# KiCad board Europe-ergo.kicad_pcb (continued)
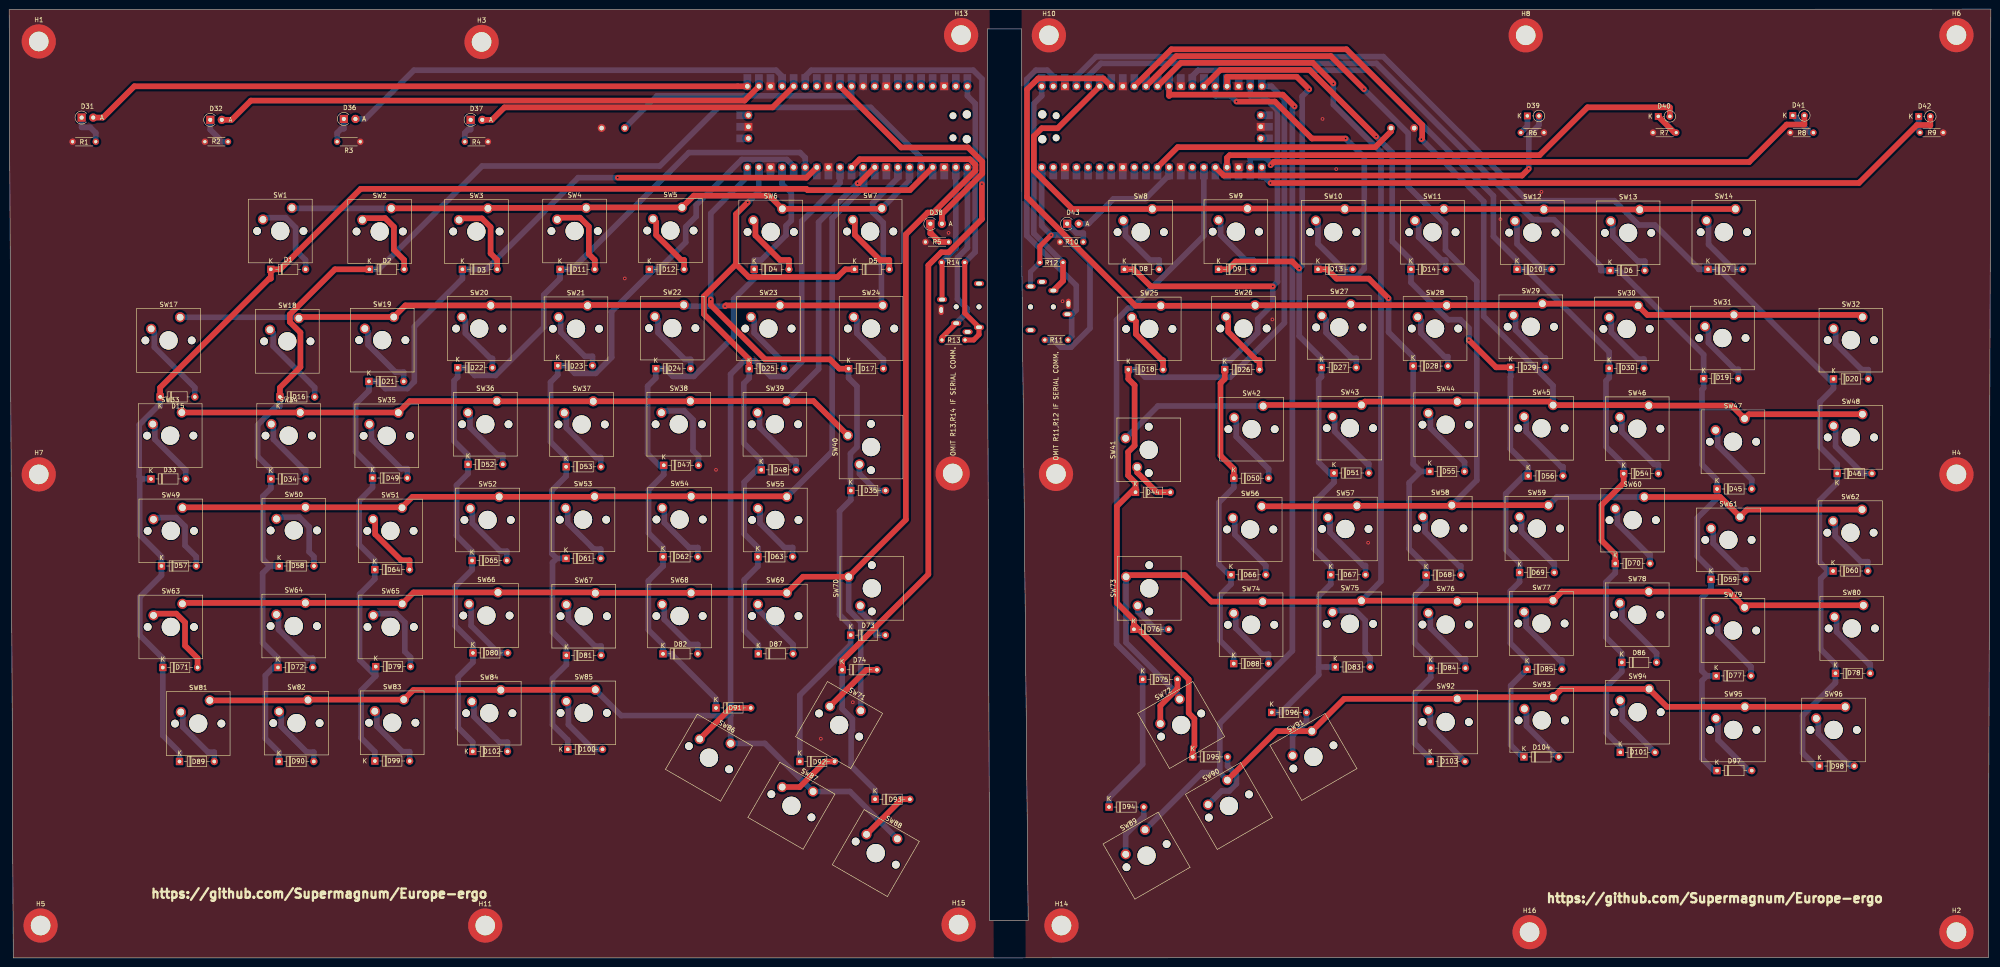
[diagram p0: board, top side]
## Nets
GNDL: H1.1 H3.1 H5.1 H7.1 H9.1 H11.1 H13.1 H15.1 J1.1 R1.1 R2.1 R3.1 R4.1 R5.1 SW15.2 U1.3 U1.8 U1.13 U1.18 U1.23 U1.28 U1.31 U1.33 U1.38 U1.42
GNDR: H2.1 H4.1 H6.1 H8.1 H10.1 H12.1 H14.1 H16.1 J2.1 R6.2 R7.2 R8.2 R9.2 R10.1 SW16.2 U2.3 U2.8 U2.13 U2.18 U2.23 U2.28 U2.33 U2.38 U2.42
VCCL: J1.4 R13.2 R14.2 U1.40
VCCR: J2.4 R11.2 R12.2 U2.40
/RUN: SW16.1 U2.30
Arrow-Left: D74.1 D93.1 U1.26
Arrow-Right: D75.1 D94.1 U2.26
COL1: D1.1 D15.1 D33.1 D57.1 D71.1 D89.1 U1.4
COL1R: D7.1 D20.1 D46.1 D60.1 D78.1 D98.1 U2.4
COL2: D2.1 D16.1 D34.1 D58.1 D72.1 D90.1 U1.5
COL2R: D6.1 D19.1 D45.1 D59.1 D77.1 D97.1 U2.5
COL3: D3.1 D21.1 D49.1 D64.1 D79.1 D99.1 U1.14
COL3R: D10.1 D30.1 D54.1 D70.1 D86.1 D101.1 U2.14
COL4: D11.1 D22.1 D52.1 D65.1 D80.1 D102.1 U1.15
COL4R: D14.1 D29.1 D56.1 D69.1 D85.1 D104.1 U2.15
COL5: D12.1 D23.1 D53.1 D61.1 D81.1 D100.1 U1.16
COL5R: D13.1 D28.1 D55.1 D68.1 D84.1 D103.1 U2.16
COL6: D4.1 D24.1 D47.1 D62.1 D82.1 D91.1 U1.17
COL6R: D9.1 D27.1 D51.1 D67.1 D83.1 D96.1 U2.17
COL7: D5.1 D25.1 D48.1 D63.1 D87.1 U1.19
COL7R: D8.1 D26.1 D50.1 D66.1 D88.1 U2.19
COL8: D17.1 D35.1 D73.1 D92.1 U1.20
COL8R: D18.1 D44.1 D76.1 D95.1 U2.20
PWM1: D31.2 U1.21
PWM1R: D42.2 U2.21
PWM2: D32.2 U1.22
PWM2R: D41.2 U2.22
PWM3: D36.2 U1.24
PWM3R: D40.2 U2.24
PWM4: D37.2 U1.25
PWM4R: D39.2 U2.25
PWM5: D38.2 U1.29
PWM5R: D43.2 U2.29
ROW1: SW1.1 SW2.1 SW3.1 SW4.1 SW5.1 SW6.1 SW7.1 U1.6
ROW1R: SW8.1 SW9.1 SW10.1 SW11.1 SW12.1 SW13.1 SW14.1 U2.6
ROW2: SW17.1 SW18.1 SW19.1 SW20.1 SW21.1 SW22.1 SW23.1 SW24.1 U1.7
ROW2R: SW25.1 SW26.1 SW27.1 SW28.1 SW29.1 SW30.1 SW31.1 SW32.1 U2.7
ROW3: SW33.1 SW34.1 SW35.1 SW36.1 SW37.1 SW38.1 SW39.1 SW40.1 U1.9
ROW3R: SW41.1 SW42.1 SW43.1 SW44.1 SW45.1 SW46.1 SW47.1 SW48.1 U2.9
ROW4: SW49.1 SW50.1 SW51.1 SW52.1 SW53.1 SW54.1 SW55.1 U1.10
ROW4R: SW56.1 SW57.1 SW58.1 SW59.1 SW60.1 SW61.1 SW62.1 U2.10
ROW5: SW63.1 SW64.1 SW65.1 SW66.1 SW67.1 SW68.1 SW69.1 SW70.1 SW71.1 U1.11
ROW5R: SW72.1 SW73.1 SW74.1 SW75.1 SW76.1 SW77.1 SW78.1 SW79.1 SW80.1 U2.11
ROW6: SW81.1 SW82.1 SW83.1 SW84.1 SW85.1 SW86.1 SW87.1 SW88.1 U1.12
ROW6R: SW89.1 SW90.1 SW91.1 SW92.1 SW93.1 SW94.1 SW95.1 SW96.1 U2.12
SCL I2C0: J1.3 R14.1 U1.2
sclR: J2.3 R11.1 U2.2
SDA I2C0: J1.2 R13.1 U1.1
sdaR: J2.2 R12.1 U2.1
Net-(D1-A): D1.2 SW1.2
Net-(D2-A): D2.2 SW2.2
Net-(D3-A): D3.2 SW3.2
Net-(D4-A): D4.2 SW6.2
Net-(D5-A): D5.2 SW7.2
Net-(D6-A): D6.2 SW13.2
Net-(D7-A): D7.2 SW14.2
Net-(D8-A): D8.2 SW8.2
Net-(D9-A): D9.2 SW9.2
Net-(D10-A): D10.2 SW12.2
Net-(D11-A): D11.2 SW4.2
Net-(D12-A): D12.2 SW5.2
Net-(D13-A): D13.2 SW10.2
Net-(D14-A): D14.2 SW11.2
Net-(D15-A): D15.2 SW17.2
Net-(D16-A): D16.2 SW18.2
Net-(D17-A): D17.2 SW24.2
Net-(D18-A): D18.2 SW25.2
Net-(D19-A): D19.2 SW31.2
Net-(D20-A): D20.2 SW32.2
Net-(D21-A): D21.2 SW19.2
Net-(D22-A): D22.2 SW20.2
Net-(D23-A): D23.2 SW21.2
Net-(D24-A): D24.2 SW22.2
Net-(D25-A): D25.2 SW23.2
Net-(D26-A): D26.2 SW26.2
Net-(D27-A): D27.2 SW27.2
Net-(D28-A): D28.2 SW28.2
Net-(D29-A): D29.2 SW29.2
Net-(D30-A): D30.2 SW30.2
Net-(D31-K): D31.1 R1.2
Net-(D32-K): D32.1 R2.2
Net-(D33-A): D33.2 SW33.2
Net-(D34-A): D34.2 SW34.2
Net-(D35-A): D35.2 SW40.2
Net-(D36-K): D36.1 R3.2
Net-(D37-K): D37.1 R4.2
Net-(D38-K): D38.1 R5.2
Net-(D39-K): D39.1 R6.1
Net-(D40-K): D40.1 R7.1
Net-(D41-K): D41.1 R8.1
Net-(D42-K): D42.1 R9.1
Net-(D43-K): D43.1 R10.2
Net-(D44-A): D44.2 SW41.2
Net-(D45-A): D45.2 SW47.2
Net-(D46-A): D46.2 SW48.2
Net-(D47-A): D47.2 SW38.2
Net-(D48-A): D48.2 SW39.2
Net-(D49-A): D49.2 SW35.2
Net-(D50-A): D50.2 SW42.2
Net-(D51-A): D51.2 SW43.2
Net-(D52-A): D52.2 SW36.2
Net-(D53-A): D53.2 SW37.2
Net-(D54-A): D54.2 SW46.2
Net-(D55-A): D55.2 SW44.2
Net-(D56-A): D56.2 SW45.2
Net-(D57-A): D57.2 SW49.2
Net-(D58-A): D58.2 SW50.2
Net-(D59-A): D59.2 SW61.2
Net-(D60-A): D60.2 SW62.2
Net-(D61-A): D61.2 SW53.2
Net-(D62-A): D62.2 SW54.2
Net-(D63-A): D63.2 SW55.2
Net-(D64-A): D64.2 SW51.2
Net-(D65-A): D65.2 SW52.2
Net-(D66-A): D66.2 SW56.2
Net-(D67-A): D67.2 SW57.2
Net-(D68-A): D68.2 SW58.2
Net-(D69-A): D69.2 SW59.2
Net-(D70-A): D70.2 SW60.2
Net-(D71-A): D71.2 SW63.2
Net-(D72-A): D72.2 SW64.2
Net-(D73-A): D73.2 SW70.2
Net-(D74-A): D74.2 SW71.2
Net-(D75-A): D75.2 SW72.2
Net-(D76-A): D76.2 SW73.2
Net-(D77-A): D77.2 SW79.2
Net-(D78-A): D78.2 SW80.2
Net-(D79-A): D79.2 SW65.2
Net-(D80-A): D80.2 SW66.2
Net-(D81-A): D81.2 SW67.2
Net-(D82-A): D82.2 SW68.2
Net-(D83-A): D83.2 SW75.2
Net-(D84-A): D84.2 SW76.2
Net-(D85-A): D85.2 SW77.2
Net-(D86-A): D86.2 SW78.2
Net-(D87-A): D87.2 SW69.2
Net-(D88-A): D88.2 SW74.2
Net-(D89-A): D89.2 SW81.2
Net-(D90-A): D90.2 SW82.2
Net-(D91-A): D91.2 SW86.2
Net-(D92-A): D92.2 SW87.2
Net-(D93-A): D93.2 SW88.2
Net-(D94-A): D94.2 SW89.2
Net-(D95-A): D95.2 SW90.2
Net-(D96-A): D96.2 SW91.2
Net-(D97-A): D97.2 SW95.2
Net-(D98-A): D98.2 SW96.2
Net-(D99-A): D99.2 SW83.2
Net-(D100-A): D100.2 SW85.2
Net-(D101-A): D101.2 SW94.2
Net-(D102-A): D102.2 SW84.2
Net-(D103-A): D103.2 SW92.2
Net-(D104-A): D104.2 SW93.2
Net-(U1-RUN): SW15.1 U1.30

Pads without a net: J1 SH1 SH2; J2 SH1 SH2; U1 27 32 34 35 36 37 39 41 43; U2 27 31 32 34 35 36 37 39 41 43

## Via types
v1: diameter 0.8, hole 0.4, Top to Bottom, 34 vias

## Routing (per net, layer and track width the routed paths; a pad name or vN(x,y) marks a point on that pad's centre or on a via; arc(x,y) is an arc through that point)
GNDL:
  vias: v1(135,149.1) v1(155,107.1) v1(178,48.1) v1(185,56.1) v1(206,159.1)
GNDR:
  vias: v1(231,144.1) v1(277,140.1) v1(288,184.1) v1(291,173.1) v1(298,91.1) v1(327,162.1) v1(336,168.1)
VCCL: length 61
  Top w1.1: R14.2 209.54,141.5 J1.4 212.67,136.77 211.5,135.6 R13.2
  Bottom w1.24: U1.40 210.13,189.17 211.85,187.45 211.85,170.44 211.82,170.41 211.82,154.88 R14.2
VCCR: length 66.7
  Top w1.1: R12.2 226.01,156.15 v1(228.48,158.62)
  Bottom w1.1: R12.2 223.98,150.56 223.98,147.35
  Bottom w1.24: R11.2 229.04,135.6 230.62,134.02 232.86,134.02 237,138.16 237,152.71 231.09,158.62 v1(228.48,158.62) 226.42,160.68 U2.40
/RUN: length 55.2
  Top w1.24: U2.30 256.25,177.91 299.55,177.91 303.01,181.37 SW16.1
Arrow-Left: length 217.3
  Top w1.24: D74.1 182.66,65.26 201.56,84.17 201.56,151.99 204.41,154.84 206.03,154.84 213.31,162.12 v1(213.31,169.8)
  Bottom w1.24: v1(213.31,169.8) 213.34,169.82 213.34,192.86 211.41,194.79 175.89,194.79 174.57,193.47 U1.26 ; D74.1 182.66,54.65 184.92,52.39 184.92,49.96 184.62,49.66 184.62,42.13 189.89,36.86 D93.1
Arrow-Right: length 154.1
  Bottom w1.24: U2.26 261.98,158.46 246.06,142.54 245.37,142.54 242.84,140.01 242.84,68.9 248.56,63.17 D75.1 248.56,42.51 241.19,35.14 D94.1
COL1: length 285.1
  Top w1.24: U1.4 197.51,168.48 175.08,168.48 174.8,168.76 77.09,168.76 59.43,151.1 D1.1 57.38,149.06 57.02,149.06 33.11,125.14 D15.1
  Bottom w1.24: D89.1 37.36,45.14 33.7,48.81 D71.1 33.7,65.76 28.66,70.81 28.66,79.2 33.41,83.95 D57.1 33.41,88.04 28.64,92.82 28.64,104.68 29.06,105.1 ; D33.1 29.06,105.1 ; 29.06,105.1 28.51,105.64 28.51,116.97 32.6,121.05 33.11,121.05 D15.1
COL1R: length 298
  Bottom w1.24: 398.92,84.89 396.95,86.86 396.95,100.35 400.86,104.25 D46.1 400.86,108.34 397.05,112.15 397.05,121.99 400.05,124.99 400.05,126.01 ; 398.92,84.89 397.24,83.21 397.24,67.72 400.48,64.48 D78.1 400.48,60.39 393.26,53.18 393.26,45.01 396.18,42.1 D98.1 ; 398.92,84.89 D60.1 ; 400.05,126.01 374.96,151.1 D7.1 370.48,151.1 370.48,151.23 360.88,160.82 357.34,160.82 352,166.16 332.94,166.16 301.32,197.78 238.35,197.78 234.04,193.46 U2.4 ; 400.05,126.01 D20.1
COL2: length 277.4
  Top w1.24: D16.1 59.38,125.14 63.88,129.64 63.88,137.22 61.56,139.53 61.56,141.22 71.44,151.1 D2.1
  Bottom w1.24: 57.18,86 55.63,87.55 55.63,101.28 57.4,103.06 D34.1 57.4,107.14 54.49,110.05 54.49,116.94 58.61,121.05 59.38,121.05 D16.1 ; 57.18,86 55.58,84.41 55.58,69.14 58.96,65.76 58.96,64.74 ; 57.18,86 D58.1 ; U1.5 199.97,175.58 188.91,186.64 155.54,186.64 142.67,173.77 103.71,173.77 81.04,151.1 D2.1 ; D90.1 59.19,45.14 56.19,48.15 56.19,61.97 58.96,64.74 ; 58.96,64.74 D72.1
COL2R: length 266.7
  Bottom w1.24: 372.27,61.88 371.16,63 371.16,78.98 373.19,81.01 D59.1 373.19,85.1 370.18,88.11 370.18,96.54 374.5,100.85 D45.1 374.5,104.94 371.2,108.25 371.2,124.69 371.56,125.05 D19.1 371.56,132.38 353.1,150.84 D6.1 349,150.84 349,151.73 338.75,161.99 335.23,161.99 335.19,162.03 334.07,162.03 299.81,196.29 239.41,196.29 236.58,193.46 U2.5 ; 372.27,61.88 371.21,60.82 371.21,43.72 373.83,41.1 D97.1 ; 372.27,61.88 D77.1
COL3: length 223.4
  Top w1.24: U1.14 174.84,171.21 v1(133.45,171.21)
  Bottom w1.24: D79.1 80.39,61.88 ; 80.39,61.88 76.85,65.42 76.85,79.82 80.18,83.16 D64.1 80.18,87.25 76.77,90.66 76.77,100.33 79.69,103.25 D49.1 79.69,107.34 75.98,111.06 75.98,121.53 78.9,124.45 D21.1 80.94,126.5 82.52,124.93 87.31,124.93 88.85,126.46 88.85,138.5 99.4,149.06 D3.1 104.66,151.1 124.77,171.21 v1(133.45,171.21) ; 80.39,61.88 77.18,58.67 77.18,48.26 80.2,45.25 D99.1
COL3R: length 224.1
  Top w1.24: D54.1 354.02,104.22 349.18,99.37 349.18,91.59 352.19,88.58 D70.1
  Bottom w1.24: D54.1 354.02,108.3 350.16,112.16 350.16,126.62 350.86,127.31 D30.1 350.86,132.94 332.69,151.1 D10.1 330.65,153.14 325.47,158.33 325.47,167.21 297.9,194.79 260.7,194.79 259.44,193.52 U2.14 ; D70.1 352.19,84.49 350.14,82.44 350.14,70.37 353.62,66.88 D86.1 353.62,62.79 350.25,59.43 350.25,49.34 353.29,46.31 D101.1
COL4: length 199.1
  Bottom w1.24: U1.15 174.57,175.58 173.42,176.73 149.05,176.73 123.43,151.1 D11.1 120.8,149.06 117.22,145.48 117.22,138.38 106.66,127.81 102.1,127.81 100.41,129.5 D22.1 98.36,127.45 97.57,126.66 97.57,113.41 100.63,110.34 D52.1 100.63,106.25 98.11,103.73 98.11,92.65 101.51,89.25 D65.1 101.51,85.16 97.82,81.46 97.82,72.85 101.7,68.97 D80.1 101.7,64.88 98.48,61.65 98.48,50.53 101.66,47.34 D102.1
COL4R: length 208.5
  Top w1.24: D29.1 326.06,129.59 v1(320.1,135.56) ; U2.15 265.57,194.86 285.14,194.86 v1(299.77,180.23)
  Bottom w1.24: D56.1 333.1,106.78 ; 333.1,106.78 333.1,107.8 329.18,111.73 329.18,127.47 329.26,127.55 D29.1 ; 333.1,106.78 328.17,101.85 328.17,89.64 331.2,86.6 D69.1 331.2,82.51 329.17,80.49 329.17,69.07 332.86,65.38 D85.1 329.25,59.73 329.25,46.72 332.17,43.81 ; v1(299.77,180.23) 303.26,176.74 303.26,157.28 307.39,153.14 D14.1 307.39,148.21 315.55,140.05 318.24,140.05 320.1,138.19 v1(320.1,135.56)
COL5: length 177.4
  Bottom w1.24: D12.1 141.4,151.1 ; 141.4,151.1 132.13,141.83 132.13,131.79 128.61,128.27 124.04,128.27 122.34,129.96 D23.1 120.3,127.91 118.71,126.33 118.71,113.23 122.14,109.8 D53.1 122.14,105.72 118.99,102.57 118.99,88.73 120.06,87.66 ; 141.4,151.1 142.43,151.1 148.36,157.03 148.36,160.41 150.66,162.71 150.66,165.21 160.65,175.21 170.52,175.21 172.03,173.7 U1.16 ; D61.1 120.06,87.66 ; 120.06,87.66 119.14,86.74 119.14,71.47 122.19,68.42 D81.1 122.19,64.34 119.14,61.29 119.14,51.16 122.5,47.81 D100.1
COL5R: length 209
  Top w1.24: D13.1 289.05,151.1 291.09,149.06 298.15,149.06 v1(302.48,144.72) ; v1(293.06,179.8) 285.66,179.8 277.56,187.91 v1(269.13,187.91)
  Bottom w1.24: 309.48,106.74 306.98,104.25 306.98,89.77 310.71,86.04 D68.1 310.71,81.95 308.2,79.44 308.2,69.15 311.72,65.62 D84.1 311.72,61.53 308.19,58.01 308.19,47.1 311.62,43.67 D103.1 ; 309.48,106.74 D55.1 ; 309.48,106.74 307.86,108.35 D28.1 307.86,131.92 302.48,137.3 v1(302.48,144.72) ; v1(293.06,179.8) 297.15,175.72 297.15,151.22 295.34,149.42 290.73,149.42 289.05,151.1 D13.1 ; U2.16 264.52,189.17 267.87,189.17 v1(269.13,187.91)
COL6: length 154.5
  Bottom w1.24: D91.1 155,56.89 145.43,66.47 145.43,66.72 D82.1 143.38,68.76 140.18,71.97 140.18,82.74 143.39,85.95 D62.1 143.39,90.04 140.22,93.22 140.22,102.73 143.54,106.06 143.54,107.08 ; 143.54,107.08 D47.1 ; 143.54,107.08 140.01,110.61 140.01,125.47 141.8,127.25 D24.1 143.84,129.3 145.53,127.61 150.13,127.61 158.86,136.34 158.86,144.54 163.38,149.06 D4.1 163.38,153.14 164.91,153.14 170.35,158.58 170.35,160.66 171.51,161.82 171.51,167.83 169.49,169.86 U1.17
COL6R: length 196.1
  Top w1.24: v1(282.88,151.29) 281.34,152.82 268.96,152.82 267.24,151.1 D9.1 ; U2.17 267.06,193.36 282.33,193.36 v1(285.08,190.61)
  Bottom w1.24: 290.52,105.38 290.52,104.35 286.19,100.02 286.19,89.72 289.8,86.1 D67.1 289.8,82.01 287.16,79.37 287.16,63.84 ; 290.52,105.38 D51.1 ; 290.52,105.38 287.15,108.75 287.15,126.88 287.76,127.49 D27.1 287.76,131.58 282.88,136.46 v1(282.88,151.29) 283.54,151.95 283.54,189.06 v1(285.08,190.61) ; 287.16,63.84 D83.1 ; 287.16,63.84 287.16,62.11 278.9,53.86 D96.1
COL7: length 152.1
  Top w1.24: 159.39,152.22 162.19,149.42 181.66,149.42 183.33,151.1 D5.1 ; 159.39,152.22 159.39,163.21 v1(161.97,165.78) ; 159.39,152.22 152.35,145.18 152.35,141.28 162.28,131.34 D25.1
  Bottom w1.24: 164.92,108.12 161.19,104.39 161.19,93.05 164.19,90.04 D63.1 164.19,85.95 161.19,82.96 161.19,71.85 164.28,68.76 D87.1 ; 164.92,108.12 164.92,109.14 161.09,112.98 161.09,126.06 162.28,127.25 D25.1 ; 164.92,108.12 D48.1 ; U1.19 164.41,168.22 v1(161.97,165.78)
COL7R: length 177.1
  Top w1.24: v1(277.11,147.35) 250.34,147.35 246.6,151.1 D8.1 ; D26.1 266.56,127.05 265.63,126.12 265.63,110.23 268.55,107.3 D50.1
  Bottom w1.24: D88.1 268.52,66.62 265.5,69.64 265.5,79.59 267.93,82.01 267.93,83.64 ; U2.19 272.14,189.17 274.93,189.17 278.12,185.98 278.12,148.36 v1(277.11,147.35) 277.11,143.46 273.79,140.14 273.79,137.17 267.76,131.14 266.56,131.14 D26.1 ; 267.93,83.64 265.26,86.31 265.26,99.92 268.55,103.22 D50.1 ; 267.93,83.64 D66.1
COL8: length 163.8
  Top w1.24: D17.1 182.04,129.3 179.99,131.34 165.78,131.34 153.85,143.27 v1(153.85,144.5)
  Bottom w1.24: v1(153.85,144.5) 153.85,163.37 161.87,171.39 U1.20 ; D92.1 173.38,57.63 184.52,68.78 D73.1 184.52,72.86 182.09,75.29 182.09,98.04 184.56,100.51 D35.1 184.56,104.6 184.49,104.68 184.49,110.68 185.91,112.1 185.91,125.43 184.08,127.25 D17.1
COL8R: length 192.8
  Top w1.24: D18.1 245.41,127.05 246.79,125.67 246.79,112.43 245.38,111.02 245.38,105.85 247,104.22 247,103.2 ; D44.1 247,103.2 ; 247,103.2 242.91,99.12 242.91,77.87 246.64,74.14 246.64,73.12 ; D76.1 246.64,73.12 ; 246.64,73.12 258.65,61.11 258.65,53.73 259.9,52.48 259.9,46.5 259.55,46.14 D95.1
  Bottom w1.24: U2.20 276.77,191.26 279.64,188.4 279.64,139.34 267.72,127.42 249.13,127.42 247.45,129.09 D18.1
PWM1: length 146.3
  Top w1.24: D31.2 20.58,184.4 27.45,191.26 U1.21
PWM1R: length 156.5
  Top w1.24: D42.2 421.27,182.66 421.18,182.76 418.33,182.76 405.61,170.04 v1(276.61,170.04)
  Bottom w1.24: U2.21 274.68,171.39 275.26,171.39 v1(276.61,170.04)
PWM2: length 120.8
  Top w1.24: U1.22 161.27,188.13 53.01,188.13 48.78,183.9 D32.2
PWM2R: length 130.3
  Top w1.24: D41.2 393.65,182.87 389.77,182.87 381.56,174.65 277.32,174.65 v1(276.61,173.94)
  Bottom w1.24: U2.22 272.14,175.58 275.54,175.58 276.61,174.52 v1(276.61,173.94)
PWM3: length 100.7
  Bottom w1.24: D36.2 78.09,184.1 88.77,194.79 168.17,194.79 169.49,193.47 U1.24
PWM3R: length 105.8
  Top w1.24: D40.2 364.15,186.66 346.1,186.66 335.59,176.14 267.62,176.14 267.06,175.58 U2.24
PWM4: length 71.3
  Top w1.24: U1.25 167.4,186.64 108.62,186.64 105.88,183.9 D37.2
PWM4R: length 82.6
  Top w1.24: v1(333.23,173.16) 331.75,171.68 266.32,171.68 U2.25
  Bottom w1.24: v1(333.23,173.16) 333.23,180.54 335.45,182.76 D39.2
PWM5: length 55.3
  Top w1.24: U1.29 195.62,177.84 210.27,177.84 213.38,174.73 213.38,172.09 204.54,163.25 D38.2
PWM5R: length 26.2
  Bottom w1.24: D43.2 236.69,161.1 242.15,166.57 249.13,166.57 253.95,171.39 254.36,171.39 U2.29
ROW1: length 143.3
  Top w1.24: SW2.1 SW3.1 105.1,164.58 SW4.1 126.64,164.68 SW5.1 150.13,167.27 166.65,167.27 SW6.1 191.24,164.38 SW7.1
  Bottom w1.24: SW1.1 62.1,164.48 SW2.1 ; SW7.1 197.43,170.57 U1.6
ROW1R: length 184.1
  Top w1.24: SW14.1 357.7,164.34 SW13.1 357.48,164.24 SW12.1 336.46,164.32 SW11.1 314.6,164.34 SW10.1 292.78,164.44 SW9.1 250.77,164.44 SW8.1 233.13,164.34 224.69,172.78 224.69,180.32 226.43,182.06 229.91,182.06 U2.6
ROW2: length 189.4
  Top w1.24: SW22.1 126.98,143.28 SW21.1 126.8,143.18 SW20.1 86.89,143.18 SW19.1 63.8,140.64 SW18.1 ; SW24.1 SW23.1 157.16,143.18 v1(156.98,143)
  Bottom w1.24: v1(156.98,143) 148.22,143 SW22.1 ; U1.7 194.89,171.16 189.33,165.6 189.33,163.67 191.68,161.32 191.68,152.43 191.27,152.02 191.27,143.45 SW24.1 ; SW17.1 63.34,140.58 SW18.1
ROW2R: length 238.5
  Top w1.24: 315.21,143.23 294.42,143.23 SW27.1 293.97,143.2 SW26.1 273.11,143.1 SW25.1 247,143.1 223.19,166.91 223.19,190.55 225.64,193 239.92,193 U2.7 ; 315.21,143.23 SW28.1 ; 315.21,143.23 335.87,143.23 SW29.1 356.74,143.57 SW30.1 359.21,141.1 SW31.1 405.94,141.1 SW32.1
ROW3: length 209.8
  Top w1.24: v1(186.04,169.98) 186.31,169.98 U1.9 ; 85.35,119.68 SW34.1 SW33.1 ; 85.35,119.68 SW35.1 ; 85.35,119.68 87.85,122.18 SW36.1 107,122.14 SW37.1 149.34,122.14 SW38.1 SW39.1 176.38,122.18 SW40.1
  Bottom w1.24: SW39.1 177.5,129.22 177.5,161.44 v1(186.04,169.98)
ROW3R: length 313.7
  Top w1.24: SW48.1 381.5,119.3 SW47.1 377.68,121.2 SW46.1 359.44,121.3 SW45.1 337.76,122.08 SW44.1 297.28,122.08 SW43.1 275.21,121.34 SW42.1 ; U2.9 254.86,199.38 293.24,199.38 309.85,182.78 309.85,179.84 v1(309.67,179.65)
  Bottom w1.24: SW45.1 338.54,125.57 323.34,140.77 323.34,165.98 v1(309.67,179.65) ; SW42.1 251.9,121.1 SW41.1
ROW4: length 213.2
  Top w1.24: SW55.1 170.44,101.28 SW54.1 128.42,101.28 SW53.1 128.32,101.18 SW52.1 88.45,101.18 86.15,98.88 ; SW51.1 86.15,98.88 ; 86.15,98.88 SW50.1 38.1,98.88 SW49.1
  Bottom w1.24: U1.10 187.27,171.39 187.58,171.08 187.58,169.41 180.47,162.31 180.47,111.11 SW55.1
ROW4R: length 292.3
  Top w1.24: SW62.1 381.12,98.38 SW61.1 375.2,101.14 SW60.1 ; SW56.1 295.44,99.1 SW57.1 316.21,99.2 SW58.1 337.5,99.34 SW59.1 ; v1(297.08,190.64) 289.82,197.89 255.91,197.89 U2.10
  Bottom w1.24: v1(297.08,190.64) 306.77,180.95 306.77,169.28 314.95,161.1 314.95,155.31 321.83,148.43 321.83,104.82 SW58.1 ; SW59.1 339.38,101.14 SW60.1
ROW5: length 310.4
  Top w1.24: SW63.1 38.2,77.9 SW64.1 86,77.9 SW65.1 88.7,80.2 SW66.1 128.4,80.2 SW67.1 128.58,80.1 SW68.1 SW69.1 174.08,83.64 SW70.1 196.63,96.17 196.63,158.77 201.41,163.55 202.68,163.55 211.88,172.75 211.88,174.04 210.67,175.25 186.5,175.25 U1.11
  Bottom w1.24: SW71.1 186.74,73.68 184.1,76.32 SW70.1
ROW5R: length 360.8
  Top w1.24: SW80.1 381,77.38 SW79.1 377.08,80.38 SW78.1 340.46,80.38 SW77.1 317.78,78.46 SW76.1 317.38,78.38 SW75.1 296.34,78.18 SW74.1 263.63,78.18 257.81,84 245.28,84 SW73.1 ; U2.11 256.96,196.4 285.87,196.4 v1(290.38,191.89)
  Bottom w1.24: SW75.1 300.8,82.64 300.8,176.85 290.38,187.26 v1(290.38,191.89) ; SW72.1 256.66,57.43 244.92,69.17 SW73.1
ROW6: length 309.5
  Top w1.24: SW85.1 107.88,58.84 SW84.1 88.64,58.78 SW83.1 65.62,56.68 SW82.1 65.44,56.5 SW81.1
  Bottom w1.24: 158.2,53.17 158.2,128.07 161.1,130.97 163.61,130.97 167,127.58 170.61,127.58 173.8,130.77 173.8,161.67 182.19,170.06 U1.12 ; 158.2,53.17 134.21,53.17 SW85.1 ; 158.2,53.17 SW86.1 165.73,47.06 SW87.1 184.38,36.51 SW88.1
ROW6R: length 353.1
  Top w1.24: SW90.1 277.89,49.77 SW91.1 292.73,56.84 SW92.1 317.9,57.2 SW93.1 340.41,59 SW94.1 363.51,55.1 SW95.1 SW96.1 ; v1(281.87,186.84) 279.28,189.43 254.62,189.43 254.36,189.17 U2.12
  Bottom w1.24: 265.49,40.65 265.49,51.49 281.39,67.39 281.39,186.35 v1(281.87,186.84) ; 265.49,40.65 SW90.1 ; 265.49,40.65 261.61,40.65 SW89.1
SCL I2C0: length 30.4
  Top w1.1: R14.1 204.57,152.49 J1.3
  Bottom w1.24: R14.1 207.59,155.73 U1.2
sclR: length 72.8
  Bottom w1.1: J2.3 232.93,141.25 233,141.18
  Bottom w1.24: R11.1 233,136.43 233,141.18 234,142.18 234,147.54 229.57,151.97 229.57,152.08 223.15,158.5 223.15,192.8 225.14,194.79 227.62,194.79 228.96,193.46 U2.2
SDA I2C0: length 41.9
  Top w1.1: J1.2 204.54,136.14 R13.1
  Bottom w1.24: J1.2 210,141.6 210,142.55 207.95,144.59 207.95,153.64 210.13,155.82 U1.1
sdaR: length 49.1
  Top w1.24: R12.1 231.09,148.56 228.98,146.45
  Bottom w1.24: U2.1 226.42,189.17 224.68,187.43 224.68,159.01 R12.1
Net-(D1-A): length 18.3
  Bottom w1.24: D1.2 65,153.14 62.81,155.33 62.81,160.26 60.65,162.43 56.04,162.43 SW1.2
Net-(D2-A): length 18.1
  Top w1.24: D2.2 86.62,153.14 84.38,155.39 84.38,160.4 82.45,162.33 77.84,162.33 SW2.2
Net-(D3-A): length 17.7
  Top w1.24: D3.2 107.02,153.14 105.57,154.59 105.57,160.37 103.67,162.28 98.99,162.28 SW3.2
Net-(D4-A): length 15.1
  Top w1.24: D4.2 171,153.14 169.03,153.14 163.65,158.53 163.65,161.38 SW6.2
Net-(D5-A): length 15.4
  Top w1.24: D5.2 193,153.14 190.95,153.14 185.45,158.65 185.45,161.48 SW7.2
Net-(D6-A): length 14.8
  Bottom w1.24: SW13.2 351.65,161.18 351.65,158.39 357.15,152.88 358.67,152.88 D6.2
Net-(D7-A): length 15.2
  Bottom w1.24: D7.2 378.1,151.1 372.65,156.55 372.65,161.34 SW14.2
Net-(D8-A): length 15.1
  Bottom w1.24: SW8.2 244.78,161.34 244.78,158.49 250.12,153.14 252.17,153.14 D8.2
Net-(D9-A): length 14.9
  Bottom w1.24: SW9.2 265.65,161.44 265.65,158.64 271.14,153.14 272.81,153.14 D9.2
Net-(D10-A): length 15.1
  Bottom w1.24: D10.2 336.23,151.1 330.65,156.68 330.65,161.24 SW12.2
Net-(D11-A): length 17.8
  Top w1.24: D11.2 128.42,153.14 127.12,154.45 127.12,160.5 125.19,162.43 120.58,162.43 SW4.2
Net-(D12-A): length 14.2
  Top w1.24: D12.2 148,153.14 147.36,153.14 141.88,158.62 141.88,161.44 SW5.2
Net-(D13-A): length 15.2
  Bottom w1.24: D13.2 292.57,151.1 286.99,156.69 286.99,161.34 SW10.2
Net-(D14-A): length 14
  Bottom w1.24: D14.2 315.01,153.14 314.09,153.14 309.06,158.17 309.06,160.99 SW11.2
Net-(D15-A): length 18.9
  Bottom w1.24: SW17.2 31.84,137.34 31.84,134.03 40.73,125.14 D15.2
Net-(D16-A): length 18.8
  Bottom w1.24: SW18.2 57.88,137.14 57.88,134.26 67,125.14 D16.2
Net-(D17-A): length 14.1
  Bottom w1.24: SW24.2 185.88,139.94 185.88,137.05 191.59,131.34 191.7,131.34 D17.2
Net-(D18-A): length 14.4
  Top w1.24: D18.2 253.03,131.14 252.82,131.14 247.08,136.88 247.08,139.67 SW25.2
Net-(D19-A): length 14.9
  Bottom w1.24: D19.2 379.18,129.14 378.44,129.14 372.62,134.96 372.62,137.81 SW31.2
Net-(D20-A): length 15.1
  Bottom w1.24: D20.2 407.67,129.08 406.22,129.08 400.5,134.8 400.5,137.64 SW32.2
Net-(D21-A): length 16.2
  Bottom w1.24: D21.2 86.52,128.54 84.7,128.54 78.69,134.55 78.69,137.41 SW19.2
Net-(D22-A): length 14.2
  Bottom w1.24: SW20.2 100.03,139.88 100.03,137.07 105.56,131.54 105.98,131.54 D22.2
Net-(D23-A): length 14.7
  Bottom w1.24: SW21.2 120.95,140.14 120.95,137.31 126.25,132 127.92,132 D23.2
Net-(D24-A): length 15.4
  Bottom w1.24: SW22.2 142.28,140.04 142.28,137.18 148.12,131.34 149.42,131.34 D24.2
Net-(D25-A): length 14.8
  Bottom w1.24: SW23.2 163.36,139.97 163.36,137.14 169.16,131.34 169.9,131.34 D25.2
Net-(D26-A): length 15
  Top w1.24: D26.2 274.18,131.14 273.54,131.14 267.32,137.37 267.32,140.2 SW26.2
Net-(D27-A): length 15.1
  Bottom w1.24: SW27.2 288.76,140 288.76,137.2 294.38,131.58 295.38,131.58 D27.2
Net-(D28-A): length 13.9
  Bottom w1.24: D28.2 315.48,131.92 314.74,131.92 309.56,137.1 309.56,139.94 SW28.2
Net-(D29-A): length 14.6
  Bottom w1.24: SW29.2 330.32,140.57 330.32,137.78 336.46,131.64 336.88,131.64 D29.2
Net-(D30-A): length 15.1
  Bottom w1.24: D30.2 358.48,131.41 357.18,131.41 351.31,137.28 351.31,140.11 SW30.2
Net-(D31-K): length 7.7
  Bottom w1.24: R1.2 19,181.04 17.79,182.25 15.9,182.25 D31.1
Net-(D32-K): length 7.6
  Bottom w1.24: R2.2 46.06,179.1 46.06,179.8 44.1,181.75 D32.1
Net-(D33-A): length 15.1
  Bottom w1.24: SW33.2 31.97,116.68 31.97,113.79 38.61,107.14 38.72,107.14 D33.2
Net-(D34-A): length 15.4
  Bottom w1.24: D34.2 65.02,107.14 64.6,107.14 57.95,113.79 57.95,116.68 SW34.2
Net-(D35-A): length 9.3
  Bottom w1.24: SW40.2 186.46,106.23 190.13,102.56 D35.2
Net-(D36-K): length 5.9
  Bottom w1.24: R3.2 71.92,181.04 72.83,181.95 73.4,181.95 D36.1
Net-(D37-K): length 5.7
  Bottom w1.24: R4.2 99.92,181.04 100.63,181.75 101.2,181.75 D37.1
Net-(D38-K): length 6.9
  Top w1.24: R5.2 204.06,157.1 202.2,158.95 202,158.95 D38.1
Net-(D39-K): length 4.3
  Bottom w1.24: D39.1 332.91,182.54 R6.1
Net-(D40-K): length 5.4
  Top w1.24: D40.1 365.17,181.1 R7.1
Net-(D41-K): length 6.1
  Bottom w1.24: D41.1 394.87,181.1 R8.1
Net-(D42-K): length 3.7
  Bottom w1.24: R9.1 418.73,181.38 D42.1
Net-(D43-K): length 6.3
  Bottom w1.24: D43.1 234.06,159.04 235.54,159.04 R10.2
Net-(D44-A): length 10.2
  Top w1.24: D44.2 251.69,102.18 247.36,106.51 SW41.2
Net-(D45-A): length 16.2
  Bottom w1.24: SW47.2 374.65,115.34 374.65,112.42 382.12,104.94 D45.2
Net-(D46-A): length 15.1
  Bottom w1.24: D46.2 406.43,106.3 400.5,112.23 400.5,116.31 SW48.2
Net-(D47-A): length 18.4
  Bottom w1.24: D47.2 151.16,110.14 149.96,111.35 149.96,118.1 148.03,120.03 143.42,120.03 SW38.2
Net-(D48-A): length 16.5
  Bottom w1.24: SW39.2 164.56,119.19 164.56,116.38 171.8,109.14 172.54,109.14 D48.2
Net-(D49-A): length 16
  Bottom w1.24: SW35.2 79.45,116.65 79.45,113.83 85.94,107.34 87.31,107.34 D49.2
Net-(D50-A): length 16.4
  Bottom w1.24: D50.2 276.17,107.3 269.08,114.4 269.08,118.1 SW42.2
Net-(D51-A): length 15.9
  Bottom w1.24: D51.2 298.14,108.44 297.72,108.44 290.65,115.51 290.65,118.34 SW43.2
Net-(D52-A): length 15.2
  Bottom w1.24: SW36.2 101.07,119.18 101.07,116.38 107.1,110.34 108.25,110.34 D52.2
Net-(D53-A): length 15.8
  Bottom w1.24: D53.2 129.76,109.8 128.69,109.8 122.19,116.31 122.19,119.14 SW37.2
Net-(D54-A): length 16.4
  Bottom w1.24: D54.2 361.64,108.3 360.72,108.3 353.64,115.38 353.64,118.21 SW46.2
Net-(D55-A): length 16.1
  Bottom w1.24: D55.2 319.14,108.78 311.65,116.28 311.65,119.08 SW44.2
Net-(D56-A): length 16.8
  Bottom w1.24: SW45.2 332.64,118.31 332.64,115.46 340.3,107.8 340.72,107.8 D56.2
Net-(D57-A): length 17.6
  Bottom w1.24: D57.2 41.03,88.04 38.57,90.5 38.57,94.7 36.65,96.63 32.04,96.63 SW49.2
Net-(D58-A): length 17.2
  Bottom w1.24: D58.2 66.84,88.04 65.78,89.1 65.78,94.56 63.62,96.73 59.01,96.73 SW50.2
Net-(D59-A): length 15.1
  Bottom w1.24: D59.2 380.81,85.1 379.51,85.1 373.65,90.97 373.65,93.8 SW61.2
Net-(D60-A): length 15
  Bottom w1.24: SW62.2 400.4,95.38 400.4,92.58 406.04,86.94 407.56,86.94 D60.2
Net-(D61-A): length 15.1
  Bottom w1.24: D61.2 129.73,89.7 128.21,89.7 122.49,95.43 122.49,98.24 SW53.2
Net-(D62-A): length 15.1
  Bottom w1.24: D62.2 151.01,90.04 149.11,90.04 143.67,95.49 143.67,98.28 SW54.2
Net-(D63-A): length 14.9
  Bottom w1.24: D63.2 171.81,90.04 169.99,90.04 164.65,95.39 164.65,98.18 SW55.2
Net-(D64-A): length 15.4
  Top w1.24: D64.2 87.8,87.25 85.98,87.25 80.26,92.97 80.26,95.78 SW51.2
Net-(D65-A): length 15.6
  Bottom w1.24: SW52.2 101.57,98.18 101.57,95.36 107.68,89.25 109.13,89.25 D65.2
Net-(D66-A): length 15.5
  Bottom w1.24: D66.2 275.55,86.1 268.78,92.88 268.78,96.1 SW56.2
Net-(D67-A): length 16.3
  Bottom w1.24: D67.2 297.42,86.1 296.89,86.1 289.64,93.36 289.64,96.21 SW57.2
Net-(D68-A): length 16.5
  Bottom w1.24: SW58.2 310.45,96.35 310.45,93.5 317.91,86.04 318.33,86.04 D68.2
Net-(D69-A): length 15.5
  Bottom w1.24: D69.2 338.82,86.6 338.5,86.6 331.65,93.46 331.65,96.3 SW59.2
Net-(D70-A): length 15.5
  Bottom w1.24: D70.2 359.81,88.58 359.39,88.58 352.65,95.32 352.65,98.14 SW60.2
Net-(D71-A): length 18.9
  Top w1.24: SW63.2 32.04,75.55 36.65,75.55 38.57,73.62 38.57,68.51 41.32,65.76 D71.2
Net-(D72-A): length 15.7
  Bottom w1.24: D72.2 66.58,65.76 65.36,65.76 59.07,72.06 59.07,74.9 SW64.2
Net-(D73-A): length 9.9
  Bottom w1.24: D73.2 190.1,70.82 190.1,72.59 186.64,76.04 SW70.2
Net-(D74-A): length 13.6
  Top w1.24: D74.2 187.99,63.22 SW71.2
Net-(D75-A): length 11.3
  Top w1.24: D75.2 256.18,59.08 252.43,55.33 SW72.2
Net-(D76-A): length 9.7
  Bottom w1.24: SW73.2 247.46,76.09 251.45,72.1 D76.2
Net-(D77-A): length 15.8
  Bottom w1.24: D77.2 381.94,63.92 381.83,63.92 374.65,71.11 374.65,73.92 SW79.2
Net-(D78-A): length 15.8
  Bottom w1.24: D78.2 408.1,64.48 407.78,64.48 400.7,71.56 400.7,74.38 SW80.2
Net-(D79-A): length 18.1
  Bottom w1.24: D79.2 88.01,65.97 86.78,67.2 86.78,73.62 84.85,75.55 80.24,75.55 SW65.2
Net-(D80-A): length 15.4
  Bottom w1.24: SW66.2 101.3,77.21 101.3,72.89 107.28,66.92 D80.2
Net-(D81-A): length 15.1
  Bottom w1.24: D81.2 129.81,68.42 128.44,68.42 122.65,74.22 122.65,77.06 SW67.2
Net-(D82-A): length 15.1
  Bottom w1.24: D82.2 151,68.76 149.18,68.76 143.65,74.3 143.65,77.1 SW68.2
Net-(D83-A): length 18.9
  Bottom w1.24: SW75.2 290.58,76.23 295.19,76.23 297.35,74.06 297.35,66.95 298.42,65.88 D83.2
Net-(D84-A): length 16
  Bottom w1.24: SW76.2 311.64,75.23 311.64,72.4 318.42,65.62 319.34,65.62 D84.2
Net-(D85-A): length 16.3
  Bottom w1.24: SW77.2 332.64,75.47 332.64,72.67 339.92,65.38 340.48,65.38 D85.2
Net-(D86-A): length 16.3
  Bottom w1.24: SW78.2 353.65,77.38 353.65,74.48 361.24,66.88 D86.2
Net-(D87-A): length 14
  Bottom w1.24: SW69.2 164.19,76.47 171.9,68.76 D87.2
Net-(D88-A): length 15.1
  Bottom w1.24: SW74.2 268.98,75.18 268.98,72.34 274.69,66.62 276.14,66.62 D88.2
Net-(D89-A): length 14.7
  Bottom w1.24: SW81.2 38.11,53.5 38.11,50.65 43.61,45.14 44.98,45.14 D89.2
Net-(D90-A): length 15
  Bottom w1.24: SW82.2 59.65,53.6 59.65,50.79 65.29,45.14 66.81,45.14 D90.2
Net-(D91-A): length 14
  Top w1.24: SW86.2 158.25,54.85 D91.2
Net-(D92-A): length 13.8
  Top w1.24: D92.2 178.95,43.1 173.34,37.48 SW87.2
Net-(D93-A): length 12.9
  Top w1.24: SW88.2 195.46,34.56 195.46,34.82 D93.2
Net-(D94-A): length 12
  Bottom w1.24: D94.2 248.81,31.06 244.84,27.09 SW89.2
Net-(D95-A): length 14.8
  Bottom w1.24: SW90.2 265.89,36.62 267.53,36.62 269.12,38.21 269.12,40.11 267.17,42.06 D95.2
Net-(D96-A): length 10.7
  Bottom w1.24: D96.2 284.48,51.81 281.43,48.77 SW91.2
Net-(D97-A): length 15.1
  Bottom w1.24: D97.2 381.45,41.1 374.72,47.84 374.72,52.1 SW95.2
Net-(D98-A): length 14.4
  Bottom w1.24: D98.2 403.8,42.1 396.71,49.18 396.71,52.11 SW96.2
Net-(D99-A): length 15
  Bottom w1.24: SW83.2 80.65,53.68 80.65,50.82 86.22,45.25 87.82,45.25 D99.2
Net-(D100-A): length 15
  Bottom w1.24: D100.2 128.07,45.76 122.65,51.19 122.65,55.84 SW85.2
Net-(D101-A): length 14.5
  Bottom w1.24: SW94.2 353.72,56 353.72,52.29 D101.2
Net-(D102-A): length 15.2
  Bottom w1.24: D102.2 109.28,47.34 107.53,47.34 101.93,52.95 101.93,55.78 SW84.2
Net-(D103-A): length 14.5
  Bottom w1.24: SW92.2 311.65,53.84 311.65,50.69 D103.2
Net-(D104-A): length 14
  Bottom w1.24: 339.79,43.81 332.72,50.88 332.72,54.2 SW93.2
Net-(U1-RUN): length 54.8
  Bottom w1.24: U1.30 184.73,189.17 142.07,189.17 SW15.1

## Copper pours and planes (outline as drawn; the poured copper is in the pictures)
GNDL on Top, Bottom: 215.9,0 -8.1,0 -8,208.1 215,208.1
GNDR on Top, Bottom: 442.9,0 222.9,0 222,208.1 442.9,208.1

## Text on the board
F.Silkscreen: OMIT R13,R14 IF SERIAL COMM. | OMIT R11,R12 IF SERIAL COMM. | https://github.com/Supermagnum/Europe-ergo
